# Altium PCB LimeSDR_Mini_1v0_Rounded.PcbDoc (part 5 of 5)
Units mm, origin at the board's own origin, x right, y up, seen from the top; angles counter-clockwise.
Board outline 69 x 31.37 mm, 8 copper layers (Top, L2, L3, L4, L5, L6, L7, Bottom), stack 1.555 mm thick; 371 components, 281 nets, 1644 pads, 778 vias.
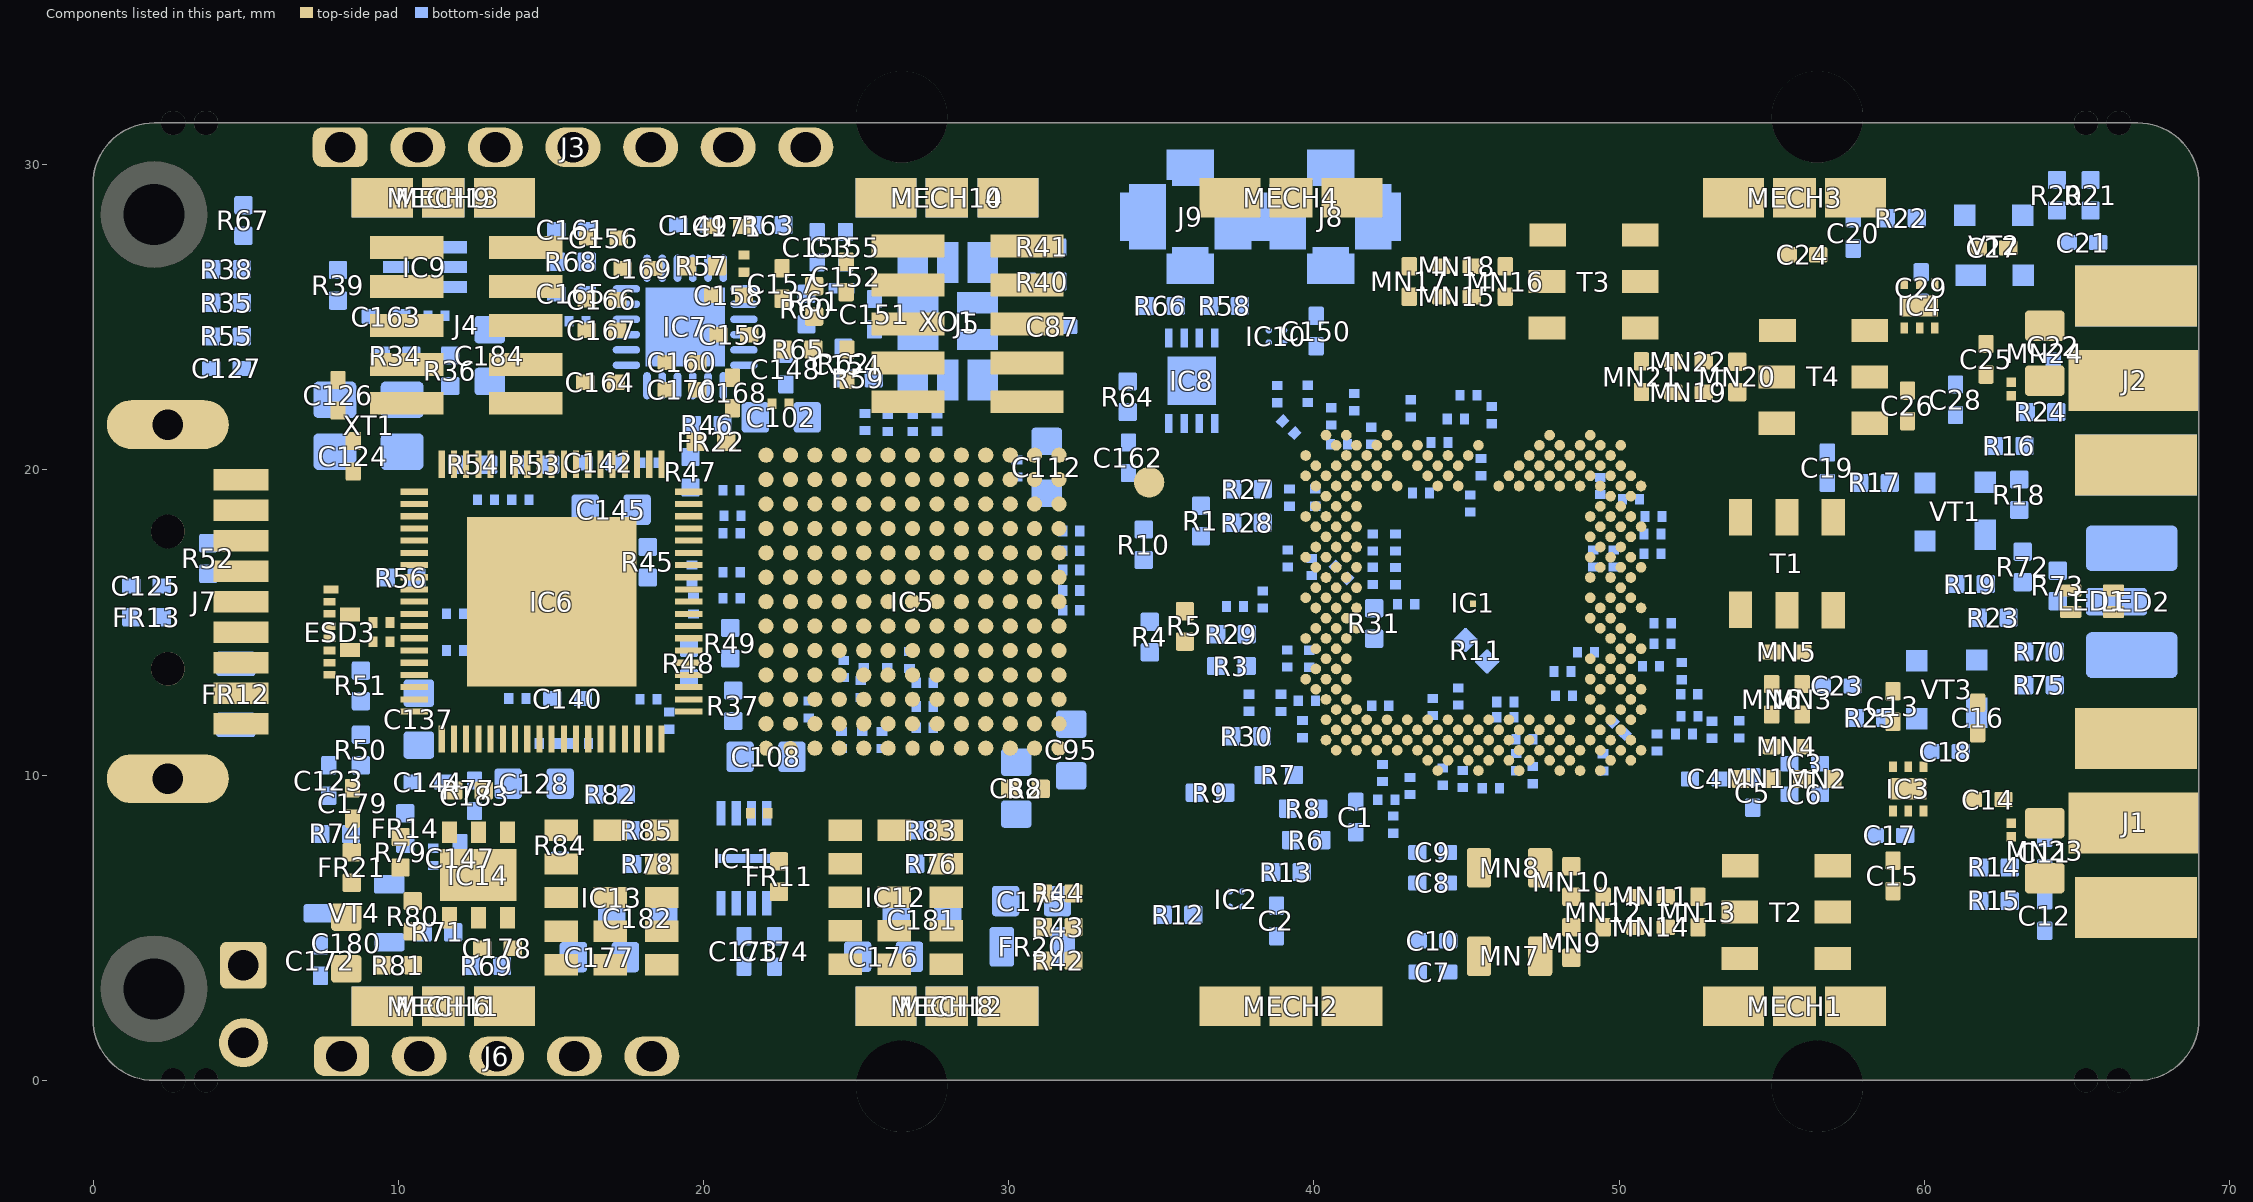
[diagram p11: the components of this part, seen from the top]

## Polygon pours and split planes (outlines as drawn)
GND on L5 "GND_L05_P020" (solid, remove dead copper, pour order 20): 0,2 0,29.37 cw(c2,29.37) 2,31.37 67,31.37 cw(c67,29.37) 69,29.37 69,2 cw(c67,2) 67,0 2,0 cw(c2,2)
VCC1P8_LMS on L5 "VCC1P8_LMS_L05_P000" (solid, remove dead copper, pour order 0): 31.65,8.35 36.9,8.35 37.275,7.975 37.901,7.975 38.276,8.35 49.897,8.35 51.175,9.628 51.175,18.425 47.875,21.725 39.1,21.725 38.05,22.775 38.05,23.175 38.7,23.825 49.25,23.825 57.25,15.825 57.25,9.5 55.875,8.125 55.875,6.25 52.425,2.8 35.4,2.8 31.275,6.925 31.275,7.975
GND on L3 "GND_L03_P018" (solid, remove dead copper, pour order 18): 0,2 0,29.37 cw(c2,29.37) 2,31.37 67,31.37 cw(c67,29.37) 69,29.37 69,2 cw(c67,2) 67,0 2,0 cw(c2,2)
VCC3P3 on L3 "VCC3P3_L03_P001" (solid, remove dead copper, pour order 1): 18.625,3.8 19.756,3.8 21.45,5.494 21.45,13.485 22.99,15.025 26.65,15.025 28.475,16.85 28.475,19.402 34.875,25.802 34.875,26.1 34.6,26.375 33.075,26.375 32.525,25.825 28.55,25.825 25.675,22.95 19.7,22.95 16.835,20.085 10.81,20.085 9.65,18.925 9.65,11.3 11.55,9.4 12.15,9.4 14.075,7.475 14.075,6.244 15.044,5.275 17.15,5.275
VDIO_LMS on L3 "VDIO_LMS_L03_P002" (solid, remove dead copper, pour order 2): 31.05,3.1 31.05,5.725 32.625,7.3 32.625,8.05 31.525,9.15 31.525,13.25 37.475,19.2 38.4,19.2 41.925,15.675 41.925,12.05 35.9,6.025 35.9,5.425 33.2,2.725 31.425,2.725
GND on L2 "GND_L02_P005" (solid, remove dead copper, pour order 5): 0,2 0,29.37 cw(c2,29.37) 2,31.37 67,31.37 cw(c67,29.37) 69,29.37 69,2 cw(c67,2) 67,0 2,0 cw(c2,2)
USB_GND on L2 "USB_GND_L02_P003" (solid, remove dead copper, pour order 3): 10,8.75 11.175,9.925 11.175,13.225 11.175,19.175 10.05,20.3 6.075,20.3 2.125,20.3 1.25,19.425 1.25,10.5 3,8.75
GND on Top "GND_L01_P004" (solid, remove dead copper, pour order 4): 0,2 0,29.37 cw(c2,29.37) 2,31.37 67,31.37 cw(c67,29.37) 69,29.37 69,2 cw(c67,2) 67,0 2,0 cw(c2,2)
GND on L4 "GND_L04_P019" (solid, remove dead copper, pour order 19): 0,2 0,29.37 cw(c2,29.37) 2,31.37 67,31.37 cw(c67,29.37) 69,29.37 69,2 cw(c67,2) 67,0 2,0 cw(c2,2)
GND on L6 "GND_L06_P021" (solid, remove dead copper, pour order 21): 0,2 0,29.37 cw(c2,29.37) 2,31.37 67,31.37 cw(c67,29.37) 69,29.37 69,2 cw(c67,2) 67,0 2,0 cw(c2,2)
GND on L7 "GND_L07_P022" (solid, remove dead copper, pour order 22): 0,2 0,29.37 cw(c2,29.37) 2,31.37 67,31.37 cw(c67,29.37) 69,29.37 69,2 cw(c67,2) 67,0 2,0 cw(c2,2)
GND on Bottom "GND_L08_P023" (solid, remove dead copper, pour order 23): 0,2 0,29.37 cw(c2,29.37) 2,31.37 67,31.37 cw(c67,29.37) 69,29.37 69,2 cw(c67,2) 67,0 2,0 cw(c2,2)

## Other copper
Top:
  region net GND: 64.7,6.675 64.7,3.2 67.55,3.2 68.95,4.6 68.95,6.675
  region net GND: 64.7,21.175 64.7,17.975 68.071,17.975 68.95,18.854 68.95,21.175
  region net GND: 64.7,24.7 64.7,28.175 67.55,28.175 68.95,26.775 68.95,24.7
  region net GND: 64.7,10.2 64.7,13.675 67.55,13.675 68.95,12.275 68.95,10.2
  region net NetC21_2: 63.3,25.025 63.3,25.25 64.125,26.075 64.4,26.075 64.6,25.875 64.6,25.025
  region net NetC11_2: 63.3,6.325 63.3,5.975 63.475,5.8 64.425,5.8 64.6,5.975 64.6,6.325
  region net GND: 52.9,19.55 52.9,17.342 54.642,17.342 54.642,19.55
  region net VDIO_LMS: 8.8,6.775 8.1,6.775 7.8,6.475 7.8,5.6 8.8,5.6
  region net GND: 13.025,8.475 13.175,8.325 13.175,7.575 13.925,7.575 13.925,5.875 11.375,5.875 11.375,7.575 12.15,7.575 12.15,8.475
  region net VCC3P3: 14.575,6.225 14.575,5.65 13.9,4.975 13.325,4.975 13.325,5.675 13.9,5.675 14.125,5.9 14.125,6.225
  region net VCC3P3: 12.5,9.15 12.525,9.15 13.325,8.35 13.325,7.775 13.875,7.775 14.075,7.575 14.075,5.725 14.575,6.225 14.575,7.65 14.05,8.175 14.05,8.825 13.025,9.85 12.5,9.85
  region net GND: 56.845,8 55.96,7.115 55.96,6.89 56.21,6.64 57.785,6.64 58.035,6.89 58.035,7.115 57.15,8
  region net GND: 49.15,28.675 49.55,28.275 49.55,27.7 49.95,27.3 51.425,27.3 52.175,28.05 52.175,28.675
  region net GND: 57.925,25.4 57.175,24.65 57.175,24.425 57.425,24.175 58.825,24.175 58.825,25.35 58.775,25.4
  pour cut-out: 43.477,2.675 42.1,4.052 42.1,8.175 43.1,9.175 44.1,9.175 45.925,11 48.54,11 49.515,10.025 51.65,10.025 52.525,10.9 52.525,16.625 53.075,17.175 54.6,17.175 54.825,17.4 54.825,19.9 54.325,20.4 51.96,20.4 50.66,19.1 45.45,19.1 45.45,20.4 43.325,22.525 40.9,22.525 40.125,23.3 40.125,26.775 42.025,28.675 63.8,28.675 66.275,26.2 69,26.2 69,18.7 64.75,18.7 64.35,18.3 63.6,18.3 62,16.7 62,15 63.625,13.375 64.35,13.375 65.45,12.275 69,12.275 69,8.725 69,5.15 66.25,5.15 63.775,2.675
  region net VDIO_LMS: 7.8,5.075 7.8,4.4 7.925,4.275 8.675,4.275 8.8,4.4 8.8,5.075
  region net VCC1P8: 21.125,26.875 20.95,27.05 20.95,27.575 21,27.625 21.875,27.625 21.925,27.575 21.925,27.075 21.725,26.875
  pour cut-out: 5.075,11.225 9.075,11.225 10.325,12.475 10.325,18.7 8.15,18.7 6.58,17.13 5.855,17.13 5.075,16.35
  region net VCC1P8_LMS: 45.825,3.408 44.8,3.408 44.625,3.583 44.625,4.533 44.825,4.733 45.825,4.733
  region net VCC1P8_LMS: 45.825,7.625 44.8,7.625 44.625,7.45 44.625,6.5 44.825,6.3 45.825,6.3
  region net VCC3P3A: 21.95,6.85 22.125,6.675 22.875,6.675 23.2,7 23.2,8.925 23.075,9.05 22.075,9.05 21.95,8.925
  region net PG_VCC1P8: 27.386,6.74 28.736,6.74 28.936,6.94 28.936,7.1 27.386,7.1
  region net PG_VCC1P8: 27.386,7.46 28.736,7.46 28.936,7.26 28.936,7.1 27.386,7.1
  region net NetIC12_11: 27.386,7.84 28.736,7.84 28.936,8.04 28.936,8.2 27.386,8.2
  region net NetIC12_11: 27.386,8.56 28.736,8.56 28.936,8.36 28.936,8.2 27.386,8.2
  region net VCC5P0_USB: 25.214,5.26 23.864,5.26 23.664,5.06 23.664,4.9 25.214,4.9
  region net VCC5P0_USB: 25.214,4.54 23.864,4.54 23.664,4.74 23.664,4.9 25.214,4.9
  region net VCC5P0_USB: 25.214,4.16 23.864,4.16 23.664,3.96 23.664,3.8 25.214,3.8
  region net VCC5P0_USB: 25.214,3.44 23.864,3.44 23.664,3.64 23.664,3.8 25.214,3.8
  region net VCC5P0_USB: 23.864,4.54 23.864,4.16 25.214,4.16 25.214,4.54
  region net VCC1P8: 28.736,4.54 28.736,4.16 27.386,4.16 27.386,4.54
  region net VCC1P8: 27.386,3.44 28.736,3.44 28.936,3.64 28.936,3.8 27.386,3.8
  region net VCC1P8: 27.386,4.16 28.736,4.16 28.936,3.96 28.936,3.8 27.386,3.8
  region net VCC1P8: 27.386,4.54 28.736,4.54 28.936,4.74 28.936,4.9 27.386,4.9
  region net VCC1P8: 27.386,5.26 28.736,5.26 28.936,5.06 28.936,4.9 27.386,4.9
  region net NetIC13_10: 18.075,6.73 19.425,6.73 19.625,6.93 19.625,7.09 18.075,7.09
  region net NetIC13_10: 18.075,7.45 19.425,7.45 19.625,7.25 19.625,7.09 18.075,7.09
  region net NetIC13_11: 18.075,7.83 19.425,7.83 19.625,8.03 19.625,8.19 18.075,8.19
  region net NetIC13_11: 18.075,8.55 19.425,8.55 19.625,8.35 19.625,8.19 18.075,8.19
  region net NetIC13_1: 15.903,8.55 14.553,8.55 14.353,8.35 14.353,8.19 15.903,8.19
  region net NetIC13_1: 15.903,7.83 14.553,7.83 14.353,8.03 14.353,8.19 15.903,8.19
  region net VCC5P0_USB: 15.903,5.25 14.553,5.25 14.353,5.05 14.353,4.89 15.903,4.89
  region net VCC5P0_USB: 15.903,4.53 14.553,4.53 14.353,4.73 14.353,4.89 15.903,4.89
  region net VCC5P0_USB: 15.903,4.15 14.553,4.15 14.353,3.95 14.353,3.79 15.903,3.79
  region net VCC5P0_USB: 15.903,3.43 14.553,3.43 14.353,3.63 14.353,3.79 15.903,3.79
  region net VCC5P0_USB: 14.553,4.53 14.553,4.15 15.903,4.15 15.903,4.53
  region net VCC3P3: 19.425,4.53 19.425,4.15 18.075,4.15 18.075,4.53
  region net VCC3P3: 18.075,3.43 19.425,3.43 19.625,3.63 19.625,3.79 18.075,3.79
  region net VCC3P3: 18.075,4.15 19.425,4.15 19.625,3.95 19.625,3.79 18.075,3.79
  region net VCC3P3: 18.075,4.53 19.425,4.53 19.625,4.73 19.625,4.89 18.075,4.89
  region net VCC3P3: 18.075,5.25 19.425,5.25 19.625,5.05 19.625,4.89 18.075,4.89
  region net USB_VBUS: 5.75,12.325 3.975,12.325 3.8,12.15 3.225,12.15 3,12.375 3,12.675 5.75,12.675
  region net USB_VBUS: 5.75,13.045 3.975,13.045 3.8,13.22 3.225,13.22 3,12.995 3,12.695 5.75,12.695
  region net USB_VBUS: 3,12.375 3,12.995 4.28,12.995 4.3,12.975 4.3,12.4 4.275,12.375
  region net GND: 25.375,3.025 25.375,3.675 25.5,3.8 27.15,3.8 27.15,3.025
  region net GND: 25.375,9.106 25.375,8.325 25.5,8.2 27.15,8.2 27.15,9.106
  region net GND: 16.064,9.096 16.064,8.315 16.189,8.19 17.839,8.19 17.839,9.096
  region net GND: 16.011,2.798 16.011,3.663 16.136,3.788 17.786,3.788 17.786,2.798
  region net GND: 48.675,14.147 49.453,14.147 49.475,14.125 49.475,14.325 48.7,15.1 48.675,15.1
  region net NetJ7_7: 4.85,16.025 4.025,16.025 3.875,16.175 3.625,16.175 3.525,16.075 3.525,15.685 4.85,15.685
  region net NetJ7_7: 4.85,15.345 4.025,15.345 3.875,15.195 3.625,15.195 3.525,15.295 3.525,15.685 4.85,15.685
  region net TX1_1_A_P: 48.48,9.907 48.427,9.96 48.427,10.102
  region net GND: 21.45,11.275 21.45,10.885 22.05,10.885 21.66,11.275
  region net NetIC14_4: 9.725,7.275 9.725,5.975 10.325,5.375 10.75,5.375 11.175,4.95 11.925,4.95 12,5.025 12,5.6 11.9,5.7 11.375,5.7 10.425,6.65 10.425,7.275
  region net VDIO_LMS_FPGA: 10.375,7.675 10.375,8.525 10.025,8.875 8.175,8.875 8.175,7.475 8.475,7.175 8.825,7.175 9.325,7.675
  region net VCC1P8_LMS: 53.675,10.225 53.85,10.4 54.12,10.4 54.293,10.227 54.293,9.877 53.677,9.877
  region net VCC1P8_LMS: 53.675,9.529 53.854,9.35 54.116,9.35 54.293,9.527 54.293,9.877 53.677,9.877
  region net VCC1P8_LMS: 57.31,9.529 57.131,9.35 56.87,9.35 56.693,9.527 56.693,9.877 57.308,9.877
  region net VCC1P8_LMS: 57.31,10.225 57.135,10.4 56.866,10.4 56.693,10.227 56.693,9.877 57.308,9.877
  region net GND: 63,8.125 63.2,7.925 63.2,7.55 63.1,7.45 62.7,7.45 62.55,7.6 62.55,7.975 62.7,8.125
  region net GND: 62.275,22.125 62.025,22.125 61.9,22 61.9,21.775 61.975,21.7 62.475,21.7 63.075,22.3 63.075,22.575 62.65,22.575 62.65,22.5
  region net GND: 3.4,19.05 5.75,19.05 5.75,18.325 3.4,18.325
L2:
  pour cut-out: 64.72,9.437 64.72,7.437 69,7.437 69,9.437
  pour cut-out: 63.3,22.425 63.3,23.425 64.6,23.425 64.6,22.425
  pour cut-out: 63.3,7.925 63.3,8.925 64.6,8.925 64.6,7.925
  pour cut-out: 46.575,25.365 45.96,25.365 45.96,25.99 46.575,25.99
  pour cut-out: 43.385,25.365 42.86,25.365 42.86,25.99 43.385,25.99
  pour cut-out: 43.385,26.985 42.86,26.985 42.86,26.36 43.385,26.36
  pour cut-out: 45.485,25.935 45.485,25.41 44.86,25.41 44.86,25.935
  pour cut-out: 43.865,25.935 43.865,25.41 44.49,25.41 44.49,25.935
  pour cut-out: 45.485,26.935 45.485,26.41 44.86,26.41 44.86,26.935
  pour cut-out: 43.865,26.935 43.865,26.41 44.49,26.41 44.49,26.935
  pour cut-out: 46.575,26.365 45.96,26.365 45.96,26.99 46.575,26.99
  pour cut-out: 54.15,23.24 53.535,23.24 53.535,23.865 54.15,23.865
  pour cut-out: 64.72,23.937 64.72,21.937 69,21.937 69,23.937
  pour cut-out: 57.59,21.136 57.59,21.936 58.815,21.936 58.815,21.136
  pour cut-out: 54.555,21.135 54.555,21.935 55.78,21.935 55.78,21.135
  pour cut-out: 54.58,24.175 54.58,24.975 55.805,24.975 55.805,24.175
  pour cut-out: 56.625,16.01 57.425,16.01 57.425,14.785 56.625,14.785
  pour cut-out: 53.585,16.035 54.385,16.035 54.385,14.81 53.585,14.81
  pour cut-out: 56.625,19.06 57.425,19.06 57.425,17.835 56.625,17.835
  pour cut-out: 57.61,4.39 57.61,3.59 56.385,3.59 56.385,4.39
  pour cut-out: 54.56,4.39 54.56,3.59 53.335,3.59 53.335,4.39
  pour cut-out: 54.585,7.43 54.585,6.63 53.36,6.63 53.36,7.43
  pour cut-out: 51.3,25.05 51.3,24.25 50.075,24.25 50.075,25.05
  pour cut-out: 48.275,28.09 48.275,27.29 47.05,27.29 47.05,28.09
  pour cut-out: 48.25,25.05 48.25,24.25 47.025,24.25 47.025,25.05
  region net USB_GND: 5.892,8.75 10,8.75 10.239,8.989 10.239,9.411 10.15,9.5 5.825,9.5 5.825,8.817
  region net GND: 4.95,8 4.95,6.75 10.625,6.75 10.625,8
  pour cut-out: 48.125,6.325 48.125,5.7 48.75,5.7 48.75,6.325
  pour cut-out: 48.125,5.325 48.125,4.7 48.75,4.7 48.75,5.325
  pour cut-out: 49.225,4.705 49.75,4.705 49.75,5.33 49.225,5.33
  pour cut-out: 49.225,6.325 49.75,6.325 49.75,5.7 49.225,5.7
  pour cut-out: 52.325,6.325 52.85,6.325 52.85,5.7 52.325,5.7
  pour cut-out: 52.325,4.705 52.85,4.705 52.85,5.33 52.325,5.33
  pour cut-out: 50.225,5.755 50.225,6.28 50.85,6.28 50.85,5.755
  pour cut-out: 51.845,5.755 51.845,6.28 51.22,6.28 51.22,5.755
  pour cut-out: 50.225,4.755 50.225,5.28 50.85,5.28 50.85,4.755
  pour cut-out: 51.845,4.755 51.845,5.28 51.22,5.28 51.22,4.755
  pour cut-out: 56.26,13.295 55.735,13.295 55.735,12.67 56.26,12.67
  pour cut-out: 56.26,11.675 55.735,11.675 55.735,12.3 56.26,12.3
  pour cut-out: 55.26,13.295 54.735,13.295 54.735,12.67 55.26,12.67
  pour cut-out: 55.26,11.675 54.735,11.675 54.735,12.3 55.26,12.3
  pour cut-out: 56.31,13.775 56.31,14.3 55.685,14.3 55.685,13.775
  pour cut-out: 54.69,13.775 54.69,14.3 55.315,14.3 55.315,13.775
  pour cut-out: 54.69,10.675 54.69,11.2 55.315,11.2 55.315,10.675
  pour cut-out: 56.31,10.675 56.31,11.2 55.685,11.2 55.685,10.675
  pour cut-out: 55.69,9.575 56.315,9.575 56.315,10.2 55.69,10.2
  pour cut-out: 54.69,9.575 55.315,9.575 55.315,10.2 54.69,10.2
  pour cut-out: 51.44,23.81 51.44,23.285 52.065,23.285 52.065,23.81
  pour cut-out: 53.06,23.81 53.06,23.285 52.435,23.285 52.435,23.81
  pour cut-out: 51.44,22.81 51.44,22.285 52.065,22.285 52.065,22.81
  pour cut-out: 53.06,22.81 53.06,22.285 52.435,22.285 52.435,22.81
  pour cut-out: 50.96,23.86 50.435,23.86 50.435,23.235 50.96,23.235
  pour cut-out: 50.96,22.24 50.435,22.24 50.435,22.865 50.96,22.865
  pour cut-out: 54.15,22.24 53.535,22.24 53.535,22.865 54.15,22.865
L3:
  pour cut-out: 64.72,9.437 64.72,7.437 69,7.437 69,9.437
  pour cut-out: 63.3,22.425 63.3,23.425 64.6,23.425 64.6,22.425
  pour cut-out: 63.3,7.925 63.3,8.925 64.6,8.925 64.6,7.925
  pour cut-out: 64.72,23.937 64.72,21.937 69,21.937 69,23.937
  region net VCC5P0_USB: 5.075,10.375 5.175,10.275 5.975,10.275 6.075,10.375 6.075,11.025 5.625,11.475 5.075,11.475
  region net VCC3P3A: 22.375,8.575 23.15,8.575 23.2,8.625 23.2,9 22.7,9.5 22.475,9.5 22.325,9.35 22.325,8.625
L4:
  pour cut-out: 64.72,9.437 64.72,7.437 69,7.437 69,9.437
  pour cut-out: 64.72,23.937 64.72,21.937 69,21.937 69,23.937
L5:
  pour cut-out: 64.72,9.437 64.72,7.437 68.92,7.437 68.92,9.437
  pour cut-out: 64.72,23.937 64.72,21.937 68.92,21.937 68.92,23.937
  region net AVDD_FT: 10.975,9.15 10.85,9.025 10.85,8.125 10.975,8 11.375,8 11.5,8.125 11.5,9.025 11.375,9.15
  text "A" at 0.575,7.325 h0.7
  text "V" at 1.575,7.325 h0.7
  text "L" at 1.05,6.75 h0.7
  text "D" at 0.8,5.125 h0.7
  text "R" at 1.35,5.125 h0.7
L7:
  pour cut-out: 26.35,23.625 26.35,22.362 26.437,22.275 27.35,22.275 27.35,23.625
L6:
  region net VCC1P8: 21.075,27.2 20.95,27.325 20.95,27.5 21.437,27.987 21.825,27.6 21.825,27.3 21.725,27.2
  region net VCC3P3A: 22.375,8.575 23.15,8.575 23.2,8.625 23.2,9 22.7,9.5 22.475,9.5 22.25,9.275 22.25,8.7
Bottom:
  region net GND: 64.598,6.605 64.598,6.921 68.95,6.921 68.95,6.605
  region net GND: 64.691,6.605 64.691,4.413 68.95,4.413 68.95,6.605
  region net GND: 64.691,12.461 64.691,9.953 68.95,9.953 68.95,12.461
  region net GND: 64.598,21.105 64.598,21.421 68.95,21.421 68.95,21.105
  region net GND: 11.8,10.362 11.562,10.125 11.175,10.125 11.175,9.425 11.275,9.325 12.85,9.325 12.875,9.35 12.875,10 12.85,10 12.7,10.15 12.177,10.15 12.009,10.319
  region net VCC1P8_LMS: 44.042,6.292 44.133,6.2 44.892,6.2 45.1,6.408 45.1,6.967 44.042,6.967
  region net VCC1P8_LMS: 44.042,7.642 44.125,7.725 44.9,7.725 45.1,7.525 45.1,6.967 44.042,6.967
  region net VCC5P0_USB: 13.1,4.1 14.3,4.1 14.438,4.237 14.575,4.237 14.575,3.58 14.395,3.4 13.1,3.4
  region net AVDD_FT: 9.925,7.45 12.225,7.45 12.275,7.5 12.275,8.206 11.459,8.9 11.025,8.9 10.95,8.825 10.95,8.425 10.8,8.275 9.875,8.275 9.875,7.5
  region net GND: 10.017,3.825 8.9,3.825 8.9,4.522 8.84,4.582 9.083,4.825 10.385,4.825 10.385,4.193
  region net NetC50_1: 51.875,12.825 51.625,12.575 50.346,12.575 50.346,12.404 51.025,11.725 52.2,11.725 52.2,12.825
  region net GND: 20.18,7.125 20.18,6.495 20.25,6.425 20.675,6.425 20.75,6.5 20.75,6.75 20.95,6.95 22.55,6.95 22.875,7.275 22.875,7.5 21.24,7.5 20.968,7.771
  region net VCC3P3: 21.05,17.75 21.05,18.675 20.875,18.85 21.248,18.85 21.345,18.753 21.345,18.065 21.345,17.75
  region net GND: 15.639,26.462 15.639,26.289 15.475,26.125 15.25,26.125 15.2,26.175 15.2,26.325 15.225,26.35 15.527,26.35
  region net GND: 8.925,24.775 8.8,24.9 8.8,25.025 8.725,25.1 8.425,25.1 8.177,24.852 8.177,25.7 9.4,25.7 9.4,24.775
  region net GND: 25.05,20.7 24.7,20.7 24.025,21.375 24.025,22.1 24.2,22.275 26.05,22.275 26.225,22.1 27.475,22.1 27.475,21.675 24.975,21.675 24.85,21.55 24.85,20.885 25.04,20.885 25.05,20.875
  region net GND: 18.15,22.633 18.65,22.633 18.65,23.75 18.15,23.25 18.15,22.773
  region net GND: 20.125,23.45 20.5,23.075 20.5,22.25 20.85,21.9 21.875,21.9 21.95,21.975 21.95,22.725 21.525,23.15 20.925,23.15 20.625,23.45
  region net GND: 20.18,7.679 20.18,7.125 21.5,7.125 21.5,7.2 20.95,7.75 20.251,7.75
  region net VCC3P3: 19.6,3.605 19.9,3.905 19.9,5.505 19.6,5.805
  region net GND: 27.55,22.234 27.55,21.93 27.65,21.83 27.042,21.826 27.125,21.93 27.45,21.93 27.45,22.234
  region net VCC1P8_LMS: 31.375,3.625 32.175,3.625 32.5,3.95 32.5,7.85 32.05,8.3 31.375,8.3 30.925,7.85 30.925,4.075
  region net VCC1P8: 28.34,3.575 30.125,3.575 30.35,3.8 30.35,4.825 30.025,5.15 29.275,5.15 28.3,6.125 27.575,6.125 27.575,4.34
  region net VDIO_LMS_LMK: 16.55,24.275 16.95,24.275 17.075,24.15 17.8,24.15 17.925,24.025 17.925,23.875 17.85,23.8 16.925,23.8 16.85,23.875 16.6,23.875 16.5,23.975 16.5,24.225
  region net VDIO_LMS: 35.425,14.65 35.425,15.075 35.55,15.2 35.95,15.2 36.225,14.925 36.225,14.65
  region net USB_VBUS: 5.75,13.675 5.375,14.05 3.975,14.05 3.55,14.05 3.125,13.625 3.125,13.2 3,13.075 3,12.275 3.125,12.15 3.825,12.15 4.15,12.475 5.625,12.475 5.75,12.35
  region net VCC5P0_USB: 4.025,12.05 4.025,10.925 4.75,10.2 5.825,10.2 5.975,10.35 5.975,11.575 5.5,12.05
  region net USB_VBUS: 5.75,12.35 5.95,12.35 7.05,11.25 7.75,11.25 8.125,11.625 8.125,13.125 7.575,13.675 5.75,13.675
  pour cut-out: 4.25,14 4.25,19.5 4.75,20 8.25,20 8.75,19.5 8.75,14.25 8.25,13.75 4.5,13.75
  region net NetC45_1: 38.251,22.082 38.251,21.724 38.63,21.345 38.988,21.345
  region net VCC1P8_LMS: 53.025,10.225 53.208,10.408 54.108,10.408 54.283,10.233 54.283,9.875 53.025,9.875
  region net VCC1P8_LMS: 53.025,9.525 53.208,9.342 54.108,9.342 54.407,9.64 54.407,9.875 53.025,9.875
  region net VCC1P8_LMS: 44.042,4.742 44.125,4.825 44.9,4.825 45.1,4.625 45.1,4.067 44.042,4.067
  region net USB_VBUS: 7.8,11.95 8.125,11.625 8.125,11.125 8.625,10.625 9.125,10.625 9.275,10.475 9.275,9.975 9.125,9.825 7.45,9.825 6.725,10.55 6.725,11.95
  region net VDIO_LMS: 37.091,18.059 36.55,18.6 36.55,19.225 37.046,19.721 37.626,19.721 37.775,19.572 37.775,18.698
  region net VCC5P0_USB: 14.525,5.13 14.525,5.75 15.05,6.275 15.375,6.275 15.95,5.7 15.95,5.13
  region net VCC5P0_USB: 25.486,4.915 25.261,5.14 23.836,5.14 23.686,4.99 23.686,3.69 23.836,3.54 25.311,3.54 25.486,3.715
  region net NetIC12_11: 27.636,8.56 28.736,8.56 28.936,8.36 28.936,8.2 27.636,8.2
  region net NetIC12_11: 27.636,7.84 28.736,7.84 28.936,8.04 28.936,8.2 27.636,8.2
  region net PG_VCC1P8: 27.575,6.74 28.736,6.74 28.936,6.94 28.936,7.1 27.575,7.1
  region net PG_VCC1P8: 27.575,7.46 28.736,7.46 28.936,7.26 28.936,7.1 27.575,7.1
  region net VCC5P0_USB: 16.175,4.905 15.95,5.13 14.525,5.13 14.375,4.98 14.375,3.68 14.525,3.53 16,3.53 16.175,3.705
  region net NetIC13_11: 18.325,8.55 19.425,8.55 19.625,8.35 19.625,8.19 18.325,8.19
  region net NetIC13_11: 18.325,7.83 19.425,7.83 19.625,8.03 19.625,8.19 18.325,8.19
  region net NetIC13_10: 18.264,6.73 19.425,6.73 19.625,6.93 19.625,7.09 18.264,7.09
  region net NetIC13_10: 18.264,7.45 19.425,7.45 19.625,7.25 19.625,7.09 18.264,7.09
  region net VCC3P3: 18.975,6.43 19.6,5.805 19.6,3.605 19.175,3.18 18.25,3.18 18.25,6.405 18.275,6.43
  region net NetC163_1: 9.5,26.2 9.5,25.025 9.75,24.775 11.075,24.775 11.175,24.875 11.175,25.5 10.475,26.2
  region net GND: 44.851,19.832 45.001,19.982 45.601,19.982 45.601,19.657 45.426,19.482 44.976,19.482
  region net NetC75_1: 44.676,20.607 44.676,21.132 44.776,21.232 45.051,21.232 45.076,21.207 45.076,20.907 44.851,20.682 44.733,20.564
  region net VDIO_LMS: 41.226,14.232 41.776,14.782 42.026,14.782 42.026,14.257 41.626,13.857 41.426,13.857 41.226,14.057
  region net GND: 40.398,18.487 40.398,17.654 40.201,17.457 39.276,17.457 39.251,17.482 39.251,18.682 39.351,18.782 40.102,18.782
  region net GND: 45.976,13.382 45.976,12.857 47.601,12.857 47.601,13.382
  region net NetC45_1: 38.988,21.345 39.501,21.857 39.501,22.157 39.501,22.282 39.401,22.382 38.276,22.382 38.251,22.357 38.251,22.082
  region net VCC3P3: 15.225,10.325 14.975,10.575 14.975,11.225 15.85,11.225 15.85,10.575 15.6,10.325
  region net VCC3P3: 18.375,12.725 18.325,12.675 18.325,12.25 18.675,11.9 19.05,11.9 19.05,12.725
  region net VCC3P3: 20.385,15.885 20.135,15.635 19.485,15.635 19.485,16.475 19.825,16.475 20.044,16.3 20.385,16.3 20.385,15.94
  region net VCC3P3: 13.625,19.745 13.875,19.495 13.875,18.845 13,18.845 13,19.495 13.25,19.745
  region net VCC3P3_CLK: 11.375,25.425 11.55,25.6 11.925,25.6 12.6,24.925 12.6,24.375 11.675,24.375 11.375,24.675
  region net VD10_FT: 10.575,8.45 10.575,8.75 10.775,8.95 10.775,11.335 10.675,11.435 9.86,11.435 9.55,11.125 9.55,8.775 9.9,8.425 10.55,8.425
  region net NetJ7_7: 4.125,16.9 4.2,16.825 4.2,15.3 4.125,15.225 3.425,15.225 3.35,15.3 3.35,16.825 3.425,16.9
  region net GND: 42.953,16.389 43.528,15.814 43.528,15.414 43.378,15.264 42.503,15.264 42.503,14.214 41.475,13.186 41.475,13.025 45.353,13.025 45.353,13.364 44.453,14.264 44.453,14.514 44.878,14.939 45.053,14.939 45.828,14.164 46.478,13.514 47.478,13.514 47.653,13.689 48.278,13.689 48.278,14.228 48.753,14.703 48.753,20.672 47.75,21.675 46.175,21.675 46.175,20.35 45.85,20.025 45.85,19.125 45.414,18.689 44.628,18.689 44.428,18.889 42.953,18.889
  region net GND: 12.142,18.422 17,18.425 17.714,17.711 17.714,13.039 17.671,12.996 12.153,12.996
  region net GND: 48.861,14.801 48.861,16.689 48.8,16.75 48.75,16.75 48.65,16.65 48.753,16.547 48.753,14.703
  region net VDIO_LMS: 37.775,5.85 37.64,5.84 37.5,5.7 37.5,5.575
  region net GND: 65.025,11.74 65.025,12.575 68.796,12.575 68.796,11.74
  region net GND: 64.598,20.33 64.598,21.15 68.796,21.15 68.796,20.33
  region net GND: 64.598,20.33 64.598,18.375 68.95,18.375 68.95,20.33
  region net GND: 64.598,24.77 64.598,24.453 68.95,24.453 68.95,24.77
  region net GND: 64.598,24.625 64.598,26.348 65.155,26.905 68.95,26.905 68.95,24.625
  region net VCC1P8_LMS: 44.042,3.392 44.133,3.3 44.892,3.3 45.1,3.508 45.1,4.067 44.042,4.067
  region net VCC1P8_LMS: 56.285,9.025 56.8,9.025 57.2,9.425 57.2,10.325 56.8,10.725 56.285,10.725
  region net NetC11_2: 62.5,7.325 64.225,7.325 64.425,7.125 64.425,5.725 64.228,5.528 62.5,5.528
  region net NetC21_2: 64.875,27.1 64.525,27.1 64,27.625 64,28.8 65.8,28.8 65.8,28.275 65.2,27.675 65.2,27.425
  region net GND: 27.414,3.329 27.229,3.329 26.975,3.075 26.225,3.075 26.225,3.175 26.725,3.675 27.55,3.675 27.55,3.465
  region net NetC153_2: 24.1,25.475 24.4,25.775 24.4,26.125 23.925,26.6 23.5,26.6 23.075,26.175 23.075,25.775 23.375,25.475
  region net GND: 36.625,24.65 37.25,24.65 37.45,24.45 37.45,21.3 37.35,21.2 35.6,21.2 35.6,21.85 36.95,21.85 36.95,23.95 36.625,23.95
  region net GND: 25.8,24.275 25.85,24.325 25.85,24.65 25.75,24.75 25.2,24.75 25,24.55 25,24.375 25.1,24.275

## Silkscreen, mask and mechanical layers (free items; w line width, h text height)
TopOverlay:
  drawing of 631 lines, arcs and shapes, not listed
  text "TCK" at 31.9,30.05 h0.7
  text "TDO" at 34.475,30.05 h0.7
  text "TMS" at 37.125,30.05 h0.7
  text "TDI" at 39.725,30.05 h0.7
  text "VCC1P8" at 42.15,30.05 h0.7
  text "GND" at 29.225,30.025 h0.7
  text "VCC5P0_USB" at 46.775,29.925 h0.7
  text "C" at 4.725,29.875 h1 r90
  text "FPGA JTAG" at 16.825,28.575 h0.7
  text "v1.0" at 5.875,28.45 h1.45 r90
  text "RX" at 67.925,27.4 h1.7 r90
  text "Mini" at 5.875,24.85 h1.45 r90
  text "LimeSDR" at 4.8,23.2 h1.45 r90
  text "FPGA GPIO" at 34.05,20.875 h0.7 r90
  text "USB3.0" at 7.825,16.75 h0.7 r90
  text "LMS7002M" at 38.95,11.675 h0.9 r90
  text "ALTERA MAX10" at 33.675,10.6 h0.7 r90
  text "VCC3P3A" at 21.825,8.95 h0.55
  text "BOM VER" at 30.75,6.825 h0.55
  text "2" at 29.8,5.675 h0.55
  text "1" at 29.775,4.55 h0.55
  text "0" at 29.775,3.525 h0.55
  text "VCC3P3" at 20.625,3.35 h0.55 r90
  text "VCC1P8" at 29.725,3.175 h0.55 r90
  text "FAN" at 4,1.95 h0.55
  text "GND" at 29.25,0.225 h0.7
  text "VCC3P3" at 39.3,0.225 h0.7
  text "VCC1P8" at 44.15,0.225 h0.7
  text "TX" at 67.925,0.225 h1.7 r90
  text "VCC" at 1.75,0.175 h0.55
  text "EGPIO(0-1)" at 32.1,0.175 h0.7
BottomOverlay:
  drawing of 657 lines, arcs and shapes, not listed
  text "OUT" at 36.65,30.65 h0.55
  text "IN" at 40.975,30.65 h0.55
  text "RX" at 68.775,30.225 h1.7 r90
  text "REF / CLK" at 44.125,23.4 h0.7
  text "TX" at 68.775,4.775 h1.7 r90
Mechanical1:
  circle w0.2: c2,3 r1
  circle w0.2: c2,28.37 r1
  lines w0.1: 2.025,-5 2.025,-0.025 ccw(c2,-0.025) 2,0 ; 2.025,31.395 2.025,36.37 ; 4.3,-5 4.3,-0.025 ; 4.3,31.395 4.3,36.37 ; 64.7,-5 64.7,-0.025 ; 64.7,31.395 64.7,36.37 ; 66.975,-5 66.975,-0.025 ; 66.975,31.395 66.975,36.37 ; 2,0 cw(c2,2) 0,2 0,29.37 cw(c2,29.37) 2,31.37 67,31.37 cw(c67,29.37) 69,29.37 69,2 cw(c67,2) 67,0 2,0
  lines w0.2: 25.023,31.308 ccw(c26.5,31.57) 27.973,31.283 ; 25.027,0.087 cw(c26.5,-0.2) 27.977,0.062 ; 55.027,0.087 cw(c56.5,-0.2) 57.977,0.062 ; 55.027,31.283 ccw(c56.5,31.57) 57.977,31.308
  text "NOTE: mounting cutout hole radius with the center offset to the outside of the PCB by 0.2mm" at 31,26.6 h0.7
  text "NOTE: mounting hole diameter" at 3.1,22.3 h0.7
  text "Local Fiducial" at 31.65,16.35 h0.7
  text "Vendor logo, date code,  / RoHS (bottom)" at 26.975,0.3 h0.55
ASM BOT:
  drawing of 227 lines, arcs and shapes, not listed
  text "Assembly bottom" at 61.675,29.85 h1.25
  text "Assembly note: / LED2 can be mounted  / sticking out of the  / board or not. If mounted,  / the default position is  / sticking out." at 67.6,0.1 h0.35
ASM TOP:
  lines w0.1: 1.525,9.85 1.85,11.1 ; 2.075,21.25 2.7,16.85 ; 8.225,2.7 9.975,3.775 ; 15.525,26.7 17.85,26.6 ; 18.55,21.9 19.3,22.625 ; 19,27.8 19.95,26.675 ; 19.2,19.825 20.25,20.925 ; 20.95,22.525 22.7,20 ; 22.425,22.15 23.45,21.3 ; 22.875,27.675 22.875,30.75 34.475,30.75 34.475,27.9 ; 32.55,22.05 32.55,27.9 38.575,27.9 38.575,22.05 32.55,22.05
  lines w0.2: 18.025,23.075 18.025,25.8 ; 21.775,23.025 23.6,23.025 23.6,22 24.8,22 ; 22.2,27.9 24.725,27.9
  lines w0.3: 0,2 ccw(c2,2) 2,0 67,0 ccw(c67,2) 69,2 69,29.37 ccw(c67,29.37) 67,31.37 2,31.37 ccw(c2,29.37) 0,29.37 0,2
  text "Assembly top" at 52.975,29.825 h1.25
  text "ASSEMBLY NOTE: / J7 mechanical mechanical holes must be soldered for mechanical durability." at 6.05,9.075 h0.55 r90

## Dimensions
2,28.37 to 2,3 on Mechanical1
26.5,31.57 to 31.306,26.764 on Mechanical1
2,28.37 to 2,21.522 on Mechanical1
26.5,30.07 to 26.5,1.3 on Mechanical1
26.5,1.3 to 56.5,1.3 on Mechanical1

## Text inside footprints (layer, text, board x,y; h text height)
IC1: ASM TOP "1) paste/pad ratio ~65% / 2) 4 thermal pad vias  / without metal cap / 3) all other thermal pad  / vias with metal cap" at 40.434,10.034 h0.4; ASM TOP "Pad size = 0.35mm / Pad paste mask = 0.35mm / No AM2 pad" at 41.384,17.609 h0.4; ASM TOP "Footprint revision: r4" at 39.359,20.859 h0.4; Mechanical1 "0.2mm/0.5mm hole/ring vias under   / pad to be left open (no metal cap)" at 38.409,20.159 h0.35
J4: TopOverlay "10" at 15.925,21.55 h0.55; TopOverlay "2" at 14.85,28.25 h0.55; TopOverlay "1" at 8.425,27.25 h0.55
J5: TopOverlay "10" at 32.9,21.95 h0.55 r90; TopOverlay "2" at 32.9,27.025 h0.55 r90; TopOverlay "9" at 24.85,21.625 h0.55 r90; TopOverlay "1" at 24.85,27.825 h0.55 r90
J8: ASM BOT "in" at 40.95,27.075 h0.55
J9: ASM BOT "in" at 35.525,27.775 h0.55
LED1: ASM TOP "C" at 64.45,15.45 h0.55; ASM TOP "A" at 66.3,15.46 h0.55
LED2: ASM BOT "A" at 67.4,17.275 h0.55 r270; ASM BOT "C1" at 67.425,13.5 h0.55 r270